# Altium PCB PuttPilot-Master.PcbDoc (part 1 of 2) (continued)
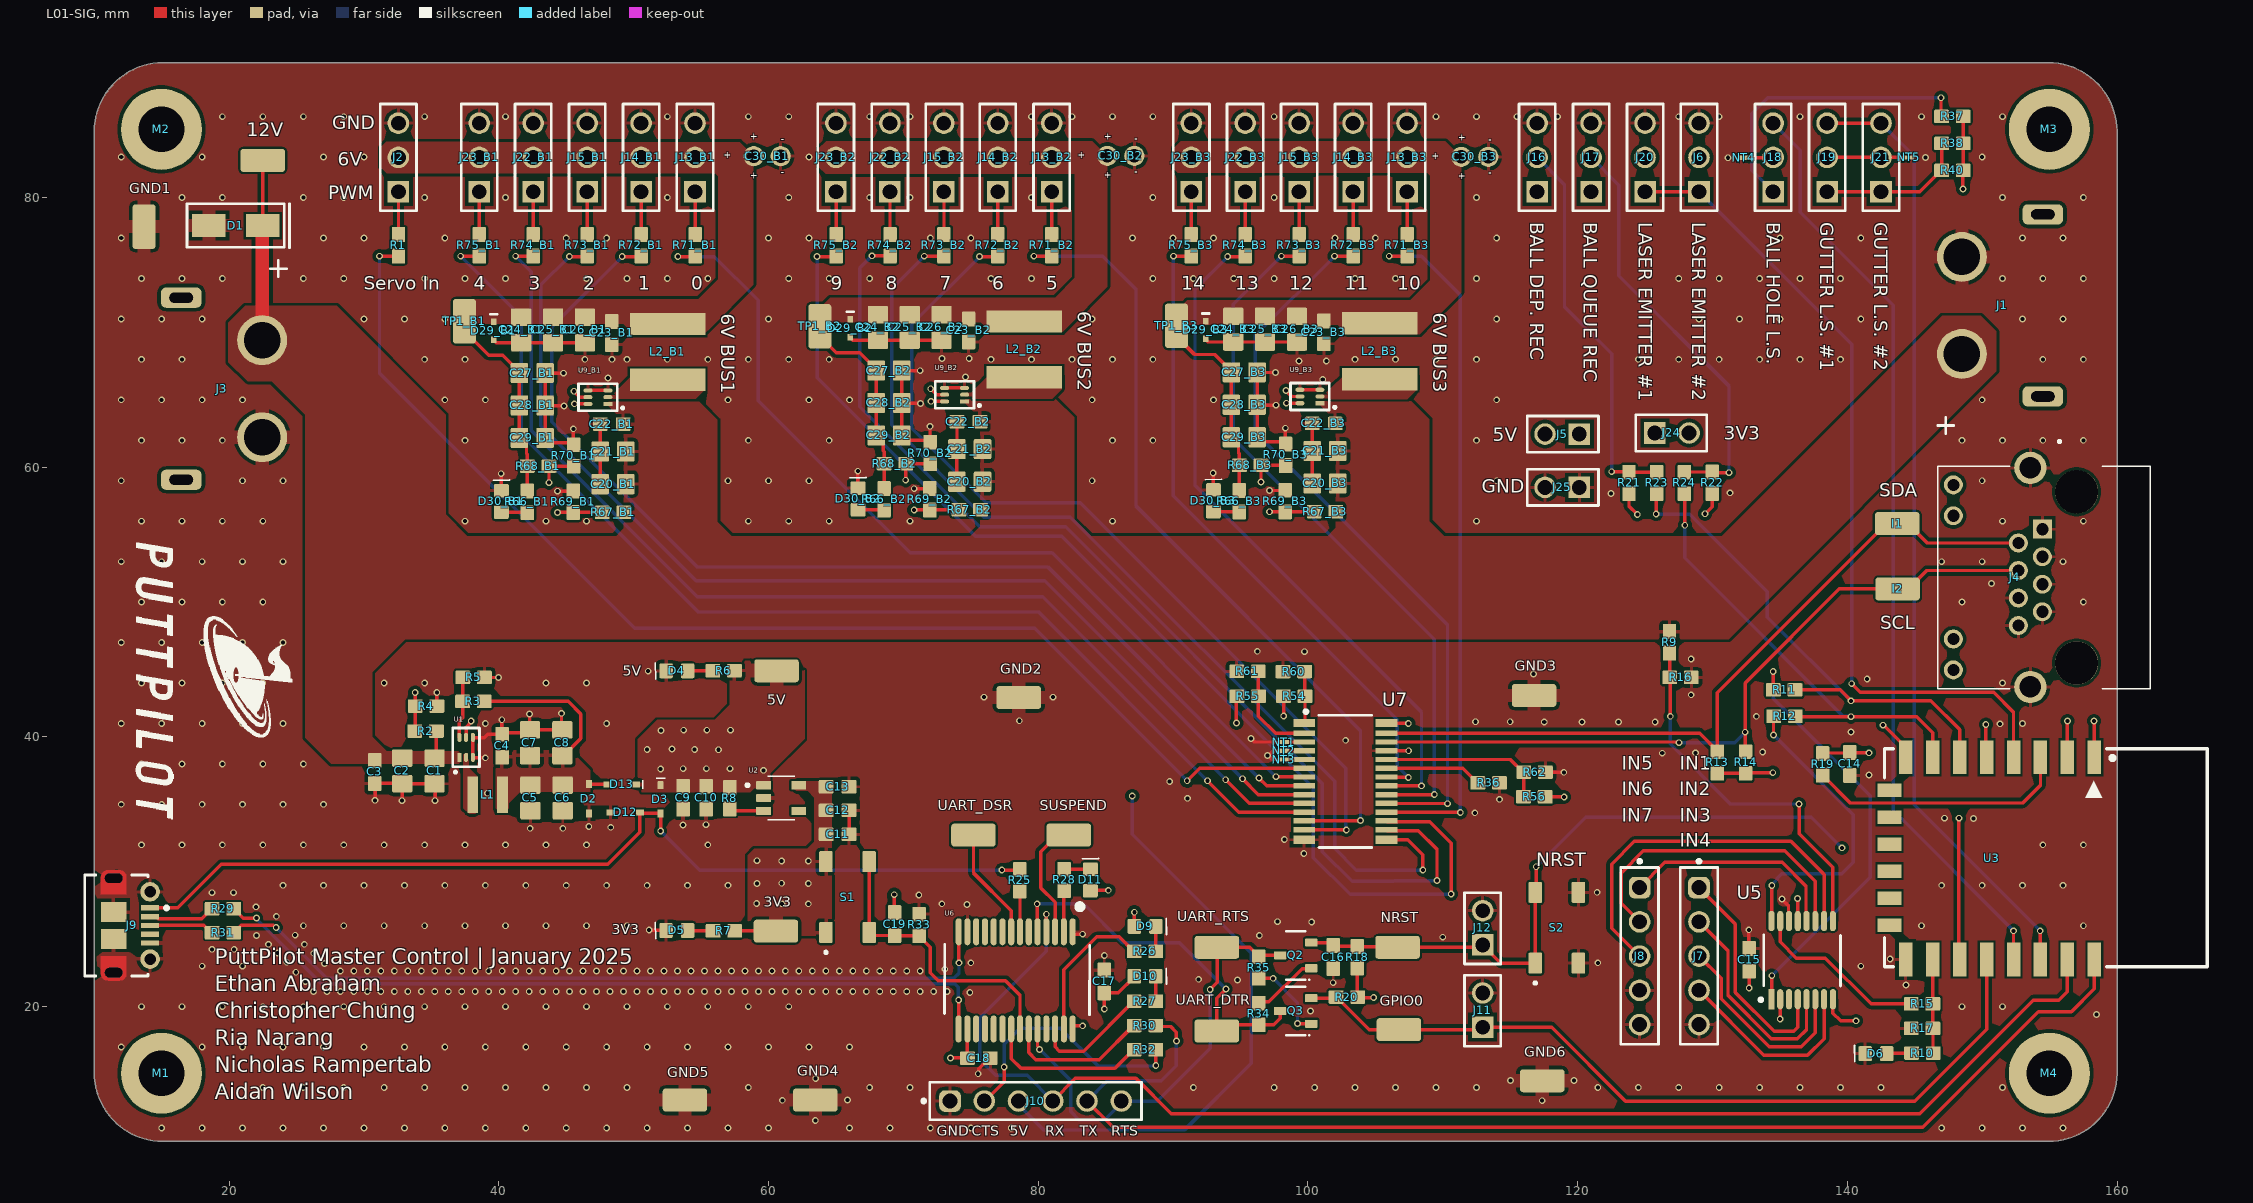
[diagram p0: L01-SIG view]
## Components (designator, comment, footprint, x,y, rotation, side; value= is the part's Value field where it differs from the comment) (continued)
D29_B2 "ESD5Z6.0T1G" ESD5Z6.0T1G 66.063,70.316 r270 top (schematic designator D29)
D29_B3 "ESD5Z6.0T1G" ESD5Z6.0T1G 92.413,70.181 r270 top (schematic designator D29)
D30_B1 "LTST-C191KGKT" .LED_0603 40.147,57.413 r90 top (schematic designator D30)
D30_B2 "LTST-C191KGKT" .LED_0603 66.597,57.598 r90 top (schematic designator D30)
D30_B3 "LTST-C191KGKT" .LED_0603 92.947,57.463 r90 top (schematic designator D30)
GND1 "RCWCTE" RCWCTE 13.775,77.875 r90 top
GND2 "RCWCTE" RCWCTE 78.525,43 r180 top
GND3 "RCWCTE" RCWCTE 116.8,43 r0 top
GND4 "RCWCTE" RCWCTE 63.445,13.155 r180 top
GND5 "RCWCTE" RCWCTE 53.77,13.155 r180 top
GND6 "RCWCTE" RCWCTE 117.345,14.58 r180 top
GPIO0 "RCWCTE" RCWCTE 106.72,18.38 r180 top (schematic designator GPIO1)
I1 "RCWCTE" RCWCTE 143.67,55.905 r180 top
I2 "RCWCTE" RCWCTE 143.695,51.055 r180 top
J1 "XT60PW-M" XT60PW-M 154.5,72 r270 top
J2 "PRPC040SAAN-RC" HEADER_3POS_2.54MM 32.55,82.975 r90 top
J3 "XT60PW-M" XT60PW-M 16.45,65.825 r90 top
J4 "MTJ-88ARX1-FSM-LG" MTJ-88ARX1-FSM-LG 155,52 r90 top
J5 "PRPC040SAAN-RC" HEADER_2POS_2.54MM 118.825,62.5 r180 top
J6 "PRPC040SAAN-RC" HEADER_3POS_2.54MM 129,82.975 r90 top
J7 "PRPC040SAAN-RC_POS5" HEADER_5POS_2.54MM 129,23.75 r270 top
J8 "PRPC040SAAN-RC_POS5" HEADER_5POS_2.54MM 124.6,23.75 r270 top
J9 "1050170001" USB_MICRO_B 11.75,26 r270 top
J10 "PRPC040SAAN-RC_POS6" HEADER_6POS_2.54MM 79.81,13 r0 top
J11 "PRPC040SAAN-RC" HEADER_2POS_2.54MM 113,19.775 r90 top
J12 "PRPC040SAAN-RC" HEADER_2POS_2.54MM 113,25.875 r90 top
J13_B1 "PRPC040SAAN-RC" HEADER_3POS_2.54MM 54.55,82.975 r90 top (schematic designator J13)
J13_B2 "PRPC040SAAN-RC" HEADER_3POS_2.54MM 81,82.975 r90 top (schematic designator J13)
J13_B3 "PRPC040SAAN-RC" HEADER_3POS_2.54MM 107.35,82.975 r90 top (schematic designator J13)
J14_B1 "PRPC040SAAN-RC" HEADER_3POS_2.54MM 50.55,82.975 r90 top (schematic designator J14)
J14_B2 "PRPC040SAAN-RC" HEADER_3POS_2.54MM 77,82.975 r90 top (schematic designator J14)
J14_B3 "PRPC040SAAN-RC" HEADER_3POS_2.54MM 103.35,82.975 r90 top (schematic designator J14)
J15_B1 "PRPC040SAAN-RC" HEADER_3POS_2.54MM 46.55,82.975 r90 top (schematic designator J15)
J15_B2 "PRPC040SAAN-RC" HEADER_3POS_2.54MM 73,82.975 r90 top (schematic designator J15)
J15_B3 "PRPC040SAAN-RC" HEADER_3POS_2.54MM 99.35,82.975 r90 top (schematic designator J15)
J16 "PRPC040SAAN-RC" HEADER_3POS_2.54MM 117,82.975 r90 top
J17 "PRPC040SAAN-RC" HEADER_3POS_2.54MM 121,82.975 r90 top
J18 "PRPC040SAAN-RC" HEADER_3POS_2.54MM 134.5,82.975 r90 top
J19 "PRPC040SAAN-RC" HEADER_3POS_2.54MM 138.5,82.975 r90 top
J20 "PRPC040SAAN-RC" HEADER_3POS_2.54MM 125,82.975 r90 top
J21 "PRPC040SAAN-RC" HEADER_3POS_2.54MM 142.5,82.975 r90 top
J22_B1 "PRPC040SAAN-RC" HEADER_3POS_2.54MM 42.55,82.975 r90 top (schematic designator J22)
J22_B2 "PRPC040SAAN-RC" HEADER_3POS_2.54MM 69,82.975 r90 top (schematic designator J22)
J22_B3 "PRPC040SAAN-RC" HEADER_3POS_2.54MM 95.35,82.975 r90 top (schematic designator J22)
J23_B1 "PRPC040SAAN-RC" HEADER_3POS_2.54MM 38.55,82.975 r90 top (schematic designator J23)
J23_B2 "PRPC040SAAN-RC" HEADER_3POS_2.54MM 65,82.975 r90 top (schematic designator J23)
J23_B3 "PRPC040SAAN-RC" HEADER_3POS_2.54MM 91.35,82.975 r90 top (schematic designator J23)
J24 "PRPC040SAAN-RC" HEADER_2POS_2.54MM 127.025,62.5 r0 top
J25 "PRPC040SAAN-RC" HEADER_2POS_2.54MM 118.825,58.55 r180 top
L1 "NRH3012T4R7MN" NRH3012T4R7MN 39.175,35.725 r0 top
L2_B1 "SRP6060FA-5R6M" SRP6060FA-5R6M 52.516,68.556 r90 top (schematic designator L2)
L2_B2 "SRP6060FA-5R6M" SRP6060FA-5R6M 78.966,68.741 r90 top (schematic designator L2)
L2_B3 "SRP6060FA-5R6M" SRP6060FA-5R6M 105.316,68.606 r90 top (schematic designator L2)
M1 ".HOLE_M3" .HOLE_M3 15,15 r0 top locked
M2 ".HOLE_M3" .HOLE_M3 15,85 r0 top locked
M3 ".HOLE_M3" .HOLE_M3 155,85 r0 top locked
M4 ".HOLE_M3" .HOLE_M3 155,15 r0 top locked
NRST "RCWCTE" RCWCTE 106.62,24.48 r180 top (schematic designator NRST1)
NT1 ".NET_TIE" .NET_TIE 98.05,39.625 r0 top
NT2 ".NET_TIE" .NET_TIE 98.05,38.975 r0 top
NT3 ".NET_TIE" .NET_TIE 98.05,38.325 r0 top
NT4 ".NET_TIE" .NET_TIE 132.175,82.95 r0 top
NT5 ".NET_TIE" .NET_TIE 144.715,82.975 r180 top
Q2 "MMBT2222A-7-F" .SOT-23-3 99.154,23.923 r180 top
Q3 "MMBT2222A-7-F" .SOT-23-3 99.15,19.8 r180 top
R1 "RC0603FR-07240RL" .RES_0603 32.55,76.5 r270 top
R2 "ERJ-3EKF2002V" .RES_0603 34.525,40.425 r0 top
R3 "RC0603FR-0773K2L" .RES_0603 38.075,42.625 r0 top
R4 "RC0603FR-0710KL" .RES_0603 34.65,42.3 r180 top
R5 "RC0603FR-0710KL" .RES_0603 38.175,44.425 r180 top
R6 "RC0603FR-071KL" .RES_0603 56.625,44.9 r0 top
R7 "RC0603FR-071KL" .RES_0603 56.65,25.61 r0 top
R8 "RC0603FR-071KL" .RES_0603 57.14,35.42 r90 top
R9 "RC0603FR-07140KL" .RES_0603 126.825,46.975 r90 top
R10 "RC0603FR-071KL" .RES_0603 145.525,16.55 r0 top
R11 "RC0603JR-070RL" .RES_0603 135.275,43.475 r0 top
R12 "RC0603JR-070RL" .RES_0603 135.3,41.525 r0 top
R13 "RC0603FR-071KL" .RES_0603 130.35,38.15 r270 top
R14 "RC0603FR-071KL" .RES_0603 132.45,38.15 r270 top
R15 "RC0603JR-070RL" .RES_0603 145.5,20.2 r0 top
R16 "RC0603FR-0710KL" .RES_0603 127.675,44.425 r180 top
R17 "RC0603FR-0710KL" .RES_0603 145.5,18.375 r0 top
R18 "RC0603FR-0710KL" .RES_0603 103.65,23.7 r270 top
R19 "RC0603FR-0710KL" .RES_0603 138.175,37.925 r90 top
R20 "RC0603FR-0710KL" .RES_0603 102.85,20.7 r0 top
R21 "RC0603FR-0710KL" .RES_0603 123.8,58.875 r270 top
R22 "RC0603FR-0710KL" .RES_0603 129.975,58.9 r270 top
R23 "RC0603JR-070RL" .RES_0603 125.85,58.875 r270 top
R24 "RC0603JR-070RL" .RES_0603 127.9,58.875 r270 top
R25 "RC0603FR-071KL" .RES_0603 78.65,29.325 r90 top
R26 "RC0603FR-07560RL" .RES_0603 87.875,24.09 r0 top
R27 "RC0603FR-07560RL" .RES_0603 87.875,20.39 r0 top
R28 "RC0603FR-07560RL" .RES_0603 81.925,29.35 r90 top
R29 "RC0603FR-0724RL" .RES_0603 19.5,27.25 r0 top
R30 "RC0603FR-071KL" .RES_0603 87.875,18.59 r0 top
R31 "RC0603FR-0724RL" .RES_0603 19.5,25.475 r0 top
R32 "RC0603FR-071KL" .RES_0603 87.875,16.79 r0 top
R33 "RC0603FR-071KL" .RES_0603 71.15,26.1 r270 top
R34 "RC0603FR-0710KL" .RES_0603 96.35,19.5 r270 top
R35 "RC0603FR-0710KL" .RES_0603 96.361,22.857 r90 top
R36 "RC0603FR-0710KL" .RES_0603 113.45,36.6 r180 top
R37 "RC0603FR-0710KL" .RES_0603 147.75,86 r0 top
R38 "RC0603FR-0710KL" .RES_0603 147.75,84 r0 top
R40 "RC0603FR-0710KL" .RES_0603 147.75,82 r0 top
R54 "RC0603FR-071KL" .RES_0603 99.025,43.025 r180 top
R55 "RC0603FR-071KL" .RES_0603 95.575,43.025 r180 top
R56 "RC0603FR-071KL" .RES_0603 116.75,35.55 r0 top
R60 "RC0603FR-071KL" .RES_0603 98.907,44.839 r0 top
R61 "RC0603FR-071KL" .RES_0603 95.475,44.85 r0 top
R62 "RC0603FR-071KL" .RES_0603 116.85,37.4 r180 top
R66_B1 "RC0603FR-071KL" .RES_0603 42.128,57.388 r90 top (schematic designator R66)
R66_B2 "RC0603FR-071KL" .RES_0603 68.578,57.573 r90 top (schematic designator R66)
R66_B3 "RC0603FR-071KL" .RES_0603 94.928,57.438 r90 top (schematic designator R66)
R67_B1 "ERJ-3EKF2002V" .RES_0603 48.427,56.644 r0 top (schematic designator R67)
R67_B2 "ERJ-3EKF2002V" .RES_0603 74.877,56.829 r0 top (schematic designator R67)
R67_B3 "ERJ-3EKF2002V" .RES_0603 101.227,56.694 r0 top (schematic designator R67)
R68_B1 "RC0603FR-0788K7L" .RES_0603 42.966,60.098 r180 top (schematic designator R68)
R68_B2 "RC0603FR-0788K7L" .RES_0603 69.416,60.283 r180 top (schematic designator R68)
R68_B3 "RC0603FR-0788K7L" .RES_0603 95.766,60.148 r180 top (schematic designator R68)
R69_B1 "RC0603FR-0710KL" .RES_0603 45.506,57.482 r270 top (schematic designator R69)
R69_B2 "RC0603FR-0710KL" .RES_0603 71.956,57.667 r270 top (schematic designator R69)
R69_B3 "RC0603FR-0710KL" .RES_0603 98.306,57.532 r270 top (schematic designator R69)
R70_B1 "RC0603FR-0710KL" .RES_0603 45.531,60.911 r270 top (schematic designator R70)
R70_B2 "RC0603FR-0710KL" .RES_0603 71.981,61.096 r270 top (schematic designator R70)
R70_B3 "RC0603FR-0710KL" .RES_0603 98.331,60.961 r270 top (schematic designator R70)
R71_B1 "RC0603FR-07240RL" .RES_0603 54.55,76.5 r270 top (schematic designator R71)
R71_B2 "RC0603FR-07240RL" .RES_0603 81,76.5 r270 top (schematic designator R71)
R71_B3 "RC0603FR-07240RL" .RES_0603 107.35,76.5 r270 top (schematic designator R71)
R72_B1 "RC0603FR-07240RL" .RES_0603 50.55,76.5 r270 top (schematic designator R72)
R72_B2 "RC0603FR-07240RL" .RES_0603 77,76.5 r270 top (schematic designator R72)
R72_B3 "RC0603FR-07240RL" .RES_0603 103.35,76.5 r270 top (schematic designator R72)
R73_B1 "RC0603FR-07240RL" .RES_0603 46.55,76.5 r270 top (schematic designator R73)
R73_B2 "RC0603FR-07240RL" .RES_0603 73,76.5 r270 top (schematic designator R73)
R73_B3 "RC0603FR-07240RL" .RES_0603 99.35,76.5 r270 top (schematic designator R73)
R74_B1 "RC0603FR-07240RL" .RES_0603 42.55,76.5 r270 top (schematic designator R74)
R74_B2 "RC0603FR-07240RL" .RES_0603 69,76.5 r270 top (schematic designator R74)
R74_B3 "RC0603FR-07240RL" .RES_0603 95.35,76.5 r270 top (schematic designator R74)
R75_B1 "RC0603FR-07240RL" .RES_0603 38.55,76.5 r270 top (schematic designator R75)
R75_B2 "RC0603FR-07240RL" .RES_0603 65,76.5 r270 top (schematic designator R75)
R75_B3 "RC0603FR-07240RL" .RES_0603 91.35,76.5 r270 top (schematic designator R75)
S1 "PTS647SN38SMTR2LFS" PTS647SN38SMTR2LFS 65.9,28.125 r90 top
S2 "PTS647SN38SMTR2LFS" PTS647SN38SMTR2LFS 118.5,25.85 r90 top
SUSPEND "RCWCTE" RCWCTE 82.245,32.805 r180 top (schematic designator SUSPEND1)
TP1_B1 "RCWCTE" RCWCTE 37.374,70.795 r270 top (schematic designator TP1)
TP1_B2 "RCWCTE" RCWCTE 63.725,70.425 r270 top (schematic designator TP1)
TP1_B3 "RCWCTE" RCWCTE 90.174,70.468 r270 top (schematic designator TP1)
U1 "TPS566242DRLR" TPS566242DRLR 37.575,39.225 r90 top
U2 "TLV75533PDBVR" .SOT-23-5 60.94,35.52 r0 top
U3 "2491-ESP8266" 2491-ESP8266 151.934,31 r270 top locked
U5 "TMUX1208PWR" TMUX1208 136.65,23.45 r90 top
U6 "CY7C64225-28PVXCT" CY7C64225-28PVXCT 78.325,21.95 r270 top
U7 "PCA9685PW,112" PCA9685PW,112 102.775,36.7 r0 top locked
U9_B1 "TPS566242DRLR" TPS566242DRLR 47.349,65.195 r180 top (schematic designator U9)
U9_B2 "TPS566242DRLR" TPS566242DRLR 73.799,65.38 r180 top (schematic designator U9)
U9_B3 "TPS566242DRLR" TPS566242DRLR 100.149,65.245 r180 top (schematic designator U9)
UART_DSR "RCWCTE" RCWCTE 75.17,32.805 r180 top (schematic designator UART_DSR1)
UART_DTR "RCWCTE" RCWCTE 93.22,18.28 r180 top (schematic designator UART_DTR1)
UART_RTS "RCWCTE" RCWCTE 93.22,24.48 r180 top (schematic designator UART_RTS1)

## Footprints (in the part's own frame and the unit in brackets; to place one, negate y for a bottom-side part, rotate by r counter-clockwise, add the part's x,y. Pads: shape width x height; smd on the part's side, far side on the other; paste and mask are expansions set on the pad)
2491-ESP8266 [mm]
  rect 2.5x1 smd: 1(-7.5,6.391) 2(-7.5,4.391) 3(-7.5,2.391) 4(-7.5,0.391) 5(-7.5,-1.609) 6(-7.5,-3.609) 7(-7.5,-5.609) 8(-7.5,-7.609) 15(7.5,-7.609) 16(7.5,-5.609) 17(7.5,-3.609) 18(7.5,-1.609) 19(7.5,0.391) 20(7.5,2.391) 21(7.5,4.391) 22(7.5,6.391)
  rect 1x1.75 smd: 9(-5.045,-8.809) 10(-3.045,-8.809) 11(-1.045,-8.809) 12(0.955,-8.809) 13(2.955,-8.809) 14(4.955,-8.809)
  silkscreen extent -8.13,-9.18 8.04,14.76, body extent -8.04,-9.1 7.96,14.9, height 2.75
.CAP_0603 [mm] "GENERIC 0603 CAPACITOR"
  rrect15% 1.1x1 smd: 1(-0.873,0.07) 2(0.827,0.07)
  body extent -0.9,-0.38 0.85,0.57, height 0.87
.CAP_0805 [mm] "GENERIC 0805 CAPACITOR"
  rrect15% 1.3x1.5 smd: 1(-0.995,0.036) 2(0.905,0.036)
  body extent -1.14,-0.66 1.05,0.79, height 1.39
.HOLE_M3 [mm]
  round 6 hole 3.4: 1(-0.02,0.06)
.LED_0603 [mm] ".GENERIC 0603 LED"
  rrect20% 1x1.1 smd: 1(-0.75,-0.04) 2(0.85,-0.04)
  silkscreen extent 1.62,-0.64 1.64,0.56, body extent -0.76,-0.44 0.86,0.36, height 0.6
.NET_TIE [mm]
  rrect15% 0.4x0.3 smd paste-2539.97 mask+0: 1(-0.025,0) 2(0.34,0)
.RES_0603 [mm] "GENERIC 0603 RESISTOR"
  rrect15% 1.1x1 smd: 1(-0.757,0.011) 2(0.843,0.011)
  body extent -0.76,-0.39 0.84,0.41, height 0.46
.SOT-23-3 [mm]
  rrect15% 0.9x0.6 smd: 1(-1.096,1.073) 2(-1.096,-0.827) 3(1.204,0.123)
  silkscreen extent -1,-1.68 0.75,1.97, body extent -1.25,-1.38 1.35,1.62, height 1.1
.SOT-23-5 [mm] ".GENERIC SOT-23-5"
  rrect10% 1.1x0.6 smd: 1(-1.3,0.9) 2(-1.3,-0.05) 3(-1.3,-1) 4(1.3,-1) 5(1.3,0.9)
  silkscreen extent -2.61,-1.65 1,1.55, body extent -1.4,-1.5 1.4,1.4, height 1.45
BAT60JFILM [mm]
  rrect15% 0.59x0.45 smd: 1(-1.115,-0.04) 2(0.995,-0.04)
  silkscreen extent 1.5,-0.38 1.5,0.28, body extent -1.31,-0.68 1.19,0.6, height 1.17
CY7C64225-28PVXCT [mm]
  oval 2x0.45 smd: 1(-3.6,4.225) 2(-3.6,3.575) 3(-3.6,2.925) 4(-3.6,2.275) 5(-3.6,1.625) 6(-3.6,0.975) 7(-3.6,0.325) 8(-3.6,-0.325) 9(-3.6,-0.975) 10(-3.6,-1.625) 11(-3.6,-2.275) 12(-3.6,-2.925) 13(-3.6,-3.575) 14(-3.6,-4.225) 15(3.6,-4.225) 16(3.6,-3.575) 17(3.6,-2.925) 18(3.6,-2.275) 19(3.6,-1.625) 20(3.6,-0.975) 21(3.6,-0.325) 22(3.6,0.325) 23(3.6,0.975) 24(3.6,1.625) 25(3.6,2.275) 26(3.6,2.925) 27(3.6,3.575) 28(3.6,4.225)
  silkscreen extent -5.66,-5.28 2.54,5.5, body extent -4.05,-5.19 4.05,5.19, height 2.01
DESD5V0U1BA-7 [mm]
  rect 0.59x0.45 smd: 1(-1.09,0) 2(1.09,0)
  body extent -1.35,-0.7 1.35,0.7, height 1.2
ESD5Z6.0T1G [mm]
  rect 0.48x0.4 smd: 1(-0.66,0) 2(0.66,0)
  silkscreen extent -1.22,-0.24 -1.22,0.26, body extent -0.85,-0.44 0.85,0.44, height 0.46
ESH107M010AC3AA [mm]
  round 1.5 hole 1 mask+0.05: 1(-1.022,-0.01)
  round 1.5 hole 1 paste-2539.97 mask+0.05: 2(0.978,-0.01)
HEADER_2POS_2.54MM [mm]
  rect 1.6x1.6 hole 1.1: 1(-1.3,0.04)
  round 1.6 hole 1.1: 2(1.24,0.04)
  silkscreen extent -2.72,-1.31 2.56,1.39, body extent -2.57,-1.23 2.51,1.31, height 8.55
HEADER_3POS_2.54MM [mm]
  rect 1.6x1.6 hole 1.1: 1(-2.54,0)
  round 1.6 hole 1.1: 2(0,0) 3(2.54,0)
  silkscreen extent -3.96,-1.35 3.96,1.35, body extent -3.81,-1.27 3.81,1.27, height 8.57
HEADER_5POS_2.54MM [mm]
  rrect50% 1.6x1.6 hole 1.1 mask+0.1: 1(-5.08,0)
  round 1.6 hole 1.1 mask+0.1: 2(-2.54,0) 3(0,0) 4(2.54,0) 5(5.08,0)
  silkscreen extent -7.15,-1.39 6.55,1.4, body extent -6.38,-1.18 6.32,1.36, height 10.62
HEADER_6POS_2.54MM [mm]
  rrect50% 1.6x1.6 hole 1.1 mask+0.1: 1(-6.35,0)
  round 1.6 hole 1.1 mask+0.1: 2(-3.81,0) 3(-1.27,0) 4(1.27,0) 5(3.81,0) 6(6.35,0)
  silkscreen extent -8.42,-1.4 7.84,1.4, body extent -7.62,-1.27 7.62,1.27, height 8.57
MTJ-88ARX1-FSM-LG [mm]
  rect 1.408x1.408 / inner round 1.408 / far side rect 1.408x1.408 hole 0.9: 1(3.403,0.537)
  round 1.408 hole 0.9: 2(2.383,2.317) 3(1.363,0.537) 4(0.343,2.317) 5(-0.677,0.537) 6(-1.697,2.317) 7(-2.717,0.537) 8(-3.737,2.317) 9(6.693,7.137) 10(4.403,7.137) 11(-4.737,7.137) 12(-7.027,7.137)
  round 2.4 hole 1.6: SH1(-8.292,1.427) SH2(7.958,1.427)
  round 3.2 hole 3.2 unplated: ""(-6.517,-2.003) ""(6.183,-2.003)
  silkscreen extent -8.42,-7.46 10.01,8.29, body extent -8.57,-7.66 8.24,8.48, height 13.21
NRH3012T4R7MN [mm]
  rect 0.8x2.7 smd: 1(-1.1,0) 2(1.1,0)
  body extent -1.55,-1.55 1.55,1.55, height 1.19
PCA9685PW,112 [mm]
  rect 1.6x0.6 smd: 1(-3.05,4.326) 14(-3.05,-4.324) 15(3.05,-4.324) 28(3.05,4.326)
  rect 1.6x0.4 smd: 2(-3.05,3.576) 3(-3.05,2.926) 4(-3.05,2.276) 5(-3.05,1.626) 6(-3.05,0.976) 7(-3.05,0.326) 8(-3.05,-0.324) 9(-3.05,-0.974) 10(-3.05,-1.624) 11(-3.05,-2.274) 12(-3.05,-2.924) 13(-3.05,-3.574) 16(3.05,-3.574) 17(3.05,-2.924) 18(3.05,-2.274) 19(3.05,-1.624) 20(3.05,-0.974) 21(3.05,-0.324) 22(3.05,0.326) 23(3.05,0.976) 24(3.05,1.626) 25(3.05,2.276) 26(3.05,2.926) 27(3.05,3.576)
  silkscreen extent -3.05,-4.9 1.96,5.3, body extent -3.3,-4.9 3.3,4.9, height 1.09
PTS647SN38SMTR2LFS [mm]
  rrect15% 1.55x1 smd mask+0.1: 1(-2.625,1.64) 2(2.625,1.64) 3(-2.625,-1.56) 4(2.625,-1.56)
  silkscreen extent -4.2,1.54 -4,1.74, body extent -3.25,-2.21 3.25,2.29, height 3.8
RCWCTE [mm]
  rrect25% 3.3x1.7 smd: 1(-0.03,0.08)
  body extent -1.63,-0.72 1.57,0.88, height 2.01
SMAJ12A-13-F [mm]
  rect 2.5x1.7 smd: 1(-2,0) 2(2,0)
  silkscreen extent -3.62,-1.64 3.98,1.62, body extent -2.8,-1.46 2.8,1.46, height 2.35
SRP6060FA-5R6M [mm]
  rect 1.65x5.6 smd: 1(-2.075,0) 2(2.075,0)
  body extent -3.2,-3.3 3.2,3.3, height 5.91
TMUX1208 [mm]
  rect 1.5x0.45 smd mask+0.075: 1(-2.9,2.275)
  oval 1.5x0.45 smd mask+0.075: 2(-2.9,1.625) 3(-2.9,0.975) 4(-2.9,0.325) 5(-2.9,-0.325) 6(-2.9,-0.975) 7(-2.9,-1.625) 8(-2.9,-2.275) 9(2.9,-2.275) 10(2.9,-1.625) 11(2.9,-0.975) 12(2.9,-0.325) 13(2.9,0.325) 14(2.9,0.975) 15(2.9,1.625) 16(2.9,2.275)
  silkscreen extent -3.06,-2.84 1.86,3.18, body extent -3.2,-2.5 3.2,2.5, height 1.2
TPS566242DRLR [mm]
  rect 0.67x0.3 smd mask+0.075: 1(-0.74,0.5)
  oval 0.67x0.3 smd mask+0.075: 2(-0.74,0) 3(-0.74,-0.5) 4(0.74,-0.5) 5(0.74,0) 6(0.74,0.5)
  silkscreen extent -1.9,-1 1.44,1, body extent -0.8,-0.78 0.8,0.78, height 0.6
USB_MICRO_B [mm]
  rect 0.4x1.35 smd: 1(-1.32,2.39) 2(-0.67,2.39) 3(-0.02,2.39) 4(0.63,2.39) 5(1.28,2.39)
  round 1.45 hole 0.85: 6(-2.52,2.39) 7(2.48,2.39)
  rrect50% 0x0 hole 0.7 slot 1.3 at 90 deg: 8(-3.52,-0.31) 11(3.48,-0.31)
  rect 1.5x1.9 smd: 9(-1.02,-0.31) 10(0.98,-0.31)
  L01-SIG circle w0.5: c-3.62,-0.76 r0.25
  L01-SIG circle w0.5: c-3.62,0.14 r0.25
  L01-SIG circle w0.5: c3.58,-0.76 r0.25
  L01-SIG circle w0.5: c3.58,0.14 r0.25
  L01-SIG region: -3.62,-0.76 -3.62,0.14 -4.12,0.14 -4.12,-0.76
  L01-SIG region: 3.58,0.14 3.58,-0.76 4.08,-0.76 4.08,0.14
  L01-SIG region: 2.28,0.64 2.28,-1.26 3.58,-1.26 3.58,0.64
  L01-SIG region: -2.32,-1.26 -2.32,0.64 -3.62,0.64 -3.62,-1.26
  silkscreen extent -3.77,-2.46 3.73,3.74, body extent -4.12,-2.86 4.08,2.54, height 2.67
XT60PW-M [mm] "XT60 Male"
  round 3.7 hole 2.7: 1(3.6,-6) 2(-3.6,-6)
  rrect50% 1.5x3 hole 0.75 slot 1.75 at 90 deg: MH0(-6.75,0) MH1(6.75,0)
  silkscreen extent 8.3,-7.8 9.5,-6.6, body extent -7.75,-7.85 7.75,10.35, height 8.41

## Part data
3V3 5V 12V GND1 GND2 GND3 GND4 GND5 GND6 GPIO0 I1 I2 NRST SUSPEND TP1_B1 TP1_B2 TP1_B3 UART_DSR UART_DTR UART_RTS: "SMT Test Point", Case Code (Imperial)=1206, Case Code (Metric)=3216, Current Rating=2A, Manufacturer="KOA Speer", Max Operating Temperature=125°C, Min Operating Temperature=-55°C, Resistance=0R, Supplier Part Number 1=2019-RCWCTECT-ND, Case/Package=1206, Category="Chip SMD Resistors", ComponentLink1Description=https://datasheet.ciiva.com/34302/1876186-34302940.pdf?src-supplier=Jameco, ComponentLink1URL=https://datasheet.ciiva.com/34302/1876186-34302940.pdf?src-supplier=Jameco, ComponentLink2Description=https://datasheet.ciiva.com/5556/rc-5556236.pdf?src-supplier=Mouser, ComponentLink2URL=https://datasheet.ciiva.com/5556/rc-5556236.pdf?src-supplier=Mouser, ComponentLink3Description=https://datasheet.ciiva.com/26821/getdatasheetpartid-110197-26821157.pdf?src-supplier=Verical, ComponentLink3URL=https://datasheet.ciiva.com/26821/getdatasheetpartid-110197-26821157.pdf?src-supplier=Verical, Contact Material=Copper,Tin, Depth=1.6mm, Height=2mm, Length=3.2mm, Manufacturer Part Number=RCWCTE, Military Standard=Not, Mount="Surface Mount", Number of Contacts=1, Packaging="Tape and Reel", Pricing 1="1=0.2, 10=0.15, 25=0.1344, 50=0.1238, 100=0.1141, 250=0.10268, 500=0.09488, 1000=0.08781 (USD)", RoHS=Yes, RoHS Compliant=Yes, Series=RC, Stock 1=56953, Supplier 1=Digikey, Termination=SMD/SMT, Width=1.6mm
C1 C2 C5 C6 C7 C8 C20_B1 C20_B2 C20_B3 C21_B1 C21_B2 C21_B3 C24_B1 C24_B2 C24_B3 C25_B1 C25_B2 C25_B3 C26_B1 C26_B2 C26_B3 C27_B1 C27_B2 C27_B3 C28_B1 C28_B2 C28_B3 C29_B1 C29_B2 C29_B3: "CAP CER 22uF 25V X5R 0805", Capacitance=22uF, Capacitor Type=Ceramic, Manufacturer=Murata, Max Operating Temperature=85°C, Min Operating Temperature=-55°C, Negative Tolerance=20%, Package Shape=Rectangular, Package Style=SMTMeter, Rated DC Voltage (URdc)=25V, Supplier Part Number 1=1092989, Temperature Characteristics Code=X5R, Category="Ceramic Capacitors", ComponentLink1Description=https://datasheet.ciiva.com:443/pdfs/VipMasterIC/IC/MURE/MURE-S-A0002977178/MURE-S-A0002978778-1.pdf?src-supplier=IHS+Markit, ComponentLink1URL=https://datasheet.ciiva.com:443/pdfs/VipMasterIC/IC/MURE/MURE-S-A0002977178/MURE-S-A0002978778-1.pdf?src-supplier=IHS+Markit, ComponentLink2Description=http://www.mouser.com/ds/2/281/c02e-2905.pdf?src-supplier=Mouser, ComponentLink2URL=http://www.mouser.com/ds/2/281/c02e-2905.pdf?src-supplier=Mouser, ComponentLink3Description=https://datasheet.octopart.com/GRM21BR61E226ME44K-Murata-datasheet-155345081.pdf?src-supplier=Element14, ComponentLink3URL=https://datasheet.octopart.com/GRM21BR61E226ME44K-Murata-datasheet-155345081.pdf?src-supplier=Element14, ComponentLink4Description=http://search.murata.co.jp/Ceramy/image/img/A01X/G101/ENG/GRM21BR61E226ME44-01.pdf?src-supplier=Digikey, ComponentLink4URL=http://search.murata.co.jp/Ceramy/image/img/A01X/G101/ENG/GRM21BR61E226ME44-01.pdf?src-supplier=Digikey, ComponentLink5Description=https://search.murata.co.jp/Ceramy/image/img/A01X/G101/ENG/GRM21BR61E226ME44-01.pdf?src-supplier=Digikey, ComponentLink5URL=https://search.murata.co.jp/Ceramy/image/img/A01X/G101/ENG/GRM21BR61E226ME44-01.pdf?src-supplier=Digikey, ComponentLink6Description=https://datasheet.octopart.com/GRM21BR61E226ME44K-Murata-datasheet-99353850.pdf?src-supplier=Future+Electronics, ComponentLink6URL=https://datasheet.octopart.com/GRM21BR61E226ME44K-Murata-datasheet-99353850.pdf?src-supplier=Future+Electronics, ComponentLink7Description=https://datasheet.octopart.com/GRM21BR61E226ME44K-Murata-datasheet-155345081.pdf?src-supplier=Newark, ComponentLink7URL=https://datasheet.octopart.com/GRM21BR61E226ME44K-Murata-datasheet-155345081.pdf?src-supplier=Newark, ComponentLink8Description=https://datasheet.octopart.com/GRM21BR61E226ME44K-Murata-datasheet-165579666.pdf?src-supplier=TME, ComponentLink8URL=https://datasheet.octopart.com/GRM21BR61E226ME44K-Murata-datasheet-165579666.pdf?src-supplier=TME, Dielectric Material=Ceramic, Height=1.25mm, JESD-609 Code=e3, Length=2mm, Manufacturer Part Number=GRM21BR61E226ME44K, Mount="Surface Mount", Multilayer=Yes, Number of Pins=2, Packaging="Tape and Reel", Positive Tolerance=20%, Pricing 1="10000=0.0684, 20000=0.0672, 30000=0.0661 (USD)", Reach SVHC Compliant=Yes, RoHS=Yes, RoHS Compliant=Yes, Size Code=0805, Stock 1=60000, Supplier 1="Future Electronics", Terminal Finish=Nickel, Termination=Wraparound, Width=1.25mm
C3 C4 C11 C14 C15 C16 C17 C18 C22_B1 C22_B2 C22_B3 C23_B1 C23_B2 C23_B3: "CAP CER 0.1uF 50V X7R 0603", Capacitance=0.1uF, Capacitor Type=Ceramic, Manufacturer=Murata, Max Operating Temperature=125°C, Min Operating Temperature=-55°C, Negative Tolerance=10%, Package Shape=Rectangular, Package Style=SMTMeter, Rated DC Voltage (URdc)=50V, Supplier Part Number 1=1158604, Temperature Characteristics Code=X7R, Category="Ceramic Capacitors", ComponentLink1Description=https://psearch.en.murata.com:443/capacitor/product/GCJ188R71H104KA12%23.pdf?src-supplier=IHS+Markit, ComponentLink1URL=https://psearch.en.murata.com:443/capacitor/product/GCJ188R71H104KA12%23.pdf?src-supplier=IHS+Markit, ComponentLink2Description=https://datasheet.ciiva.com/135/product-135604.pdf?src-supplier=Digikey, ComponentLink2URL=https://datasheet.ciiva.com/135/product-135604.pdf?src-supplier=Digikey, ComponentLink3Description=https://datasheet.ciiva.com/26889/getdatasheetpartid-369886-26889118.pdf?src-supplier=Verical, ComponentLink3URL=https://datasheet.ciiva.com/26889/getdatasheetpartid-369886-26889118.pdf?src-supplier=Verical, ComponentLink4Description=https://datasheet.ciiva.com/135/s0717e-135605.pdf?src-supplier=Digikey, ComponentLink4URL=https://datasheet.ciiva.com/135/s0717e-135605.pdf?src-supplier=Digikey, ComponentLink5Description=https://datasheet.ciiva.com/135/s0717e-135606.pdf?src-supplier=Digikey, ComponentLink5URL=https://datasheet.ciiva.com/135/s0717e-135606.pdf?src-supplier=Digikey, ComponentLink6Description=https://datasheet.ciiva.com/16440/c03e-16440425.pdf?src-supplier=Future+Electronics, ComponentLink6URL=https://datasheet.ciiva.com/16440/c03e-16440425.pdf?src-supplier=Future+Electronics, Dielectric Material=Ceramic, Height=0.8mm, JESD-609 Code=e3, Length=1.6mm, Manufacturer Part Number=GCJ188R71H104KA12D, Mount="Surface Mount", Multilayer=Yes, Number of Pins=2, Packaging="Tape and Reel", Positive Tolerance=10%, Pricing 1="4000=0.0182, 12000=0.0178, 20000=0.0176, 80000=0.017, 120000=0.0167 (USD)", Reach SVHC Compliant=Yes, Reference Standard=AEC-Q200, RoHS=Yes, RoHS Compliant=Yes, Size Code=0603, Stock 1=3280000, Supplier 1="Future Electronics", Terminal Finish=Nickel, Termination=Wraparound, Width=0.8mm